# Altium PCB Controller.PcbDoc (part 2 of 2) (continued)
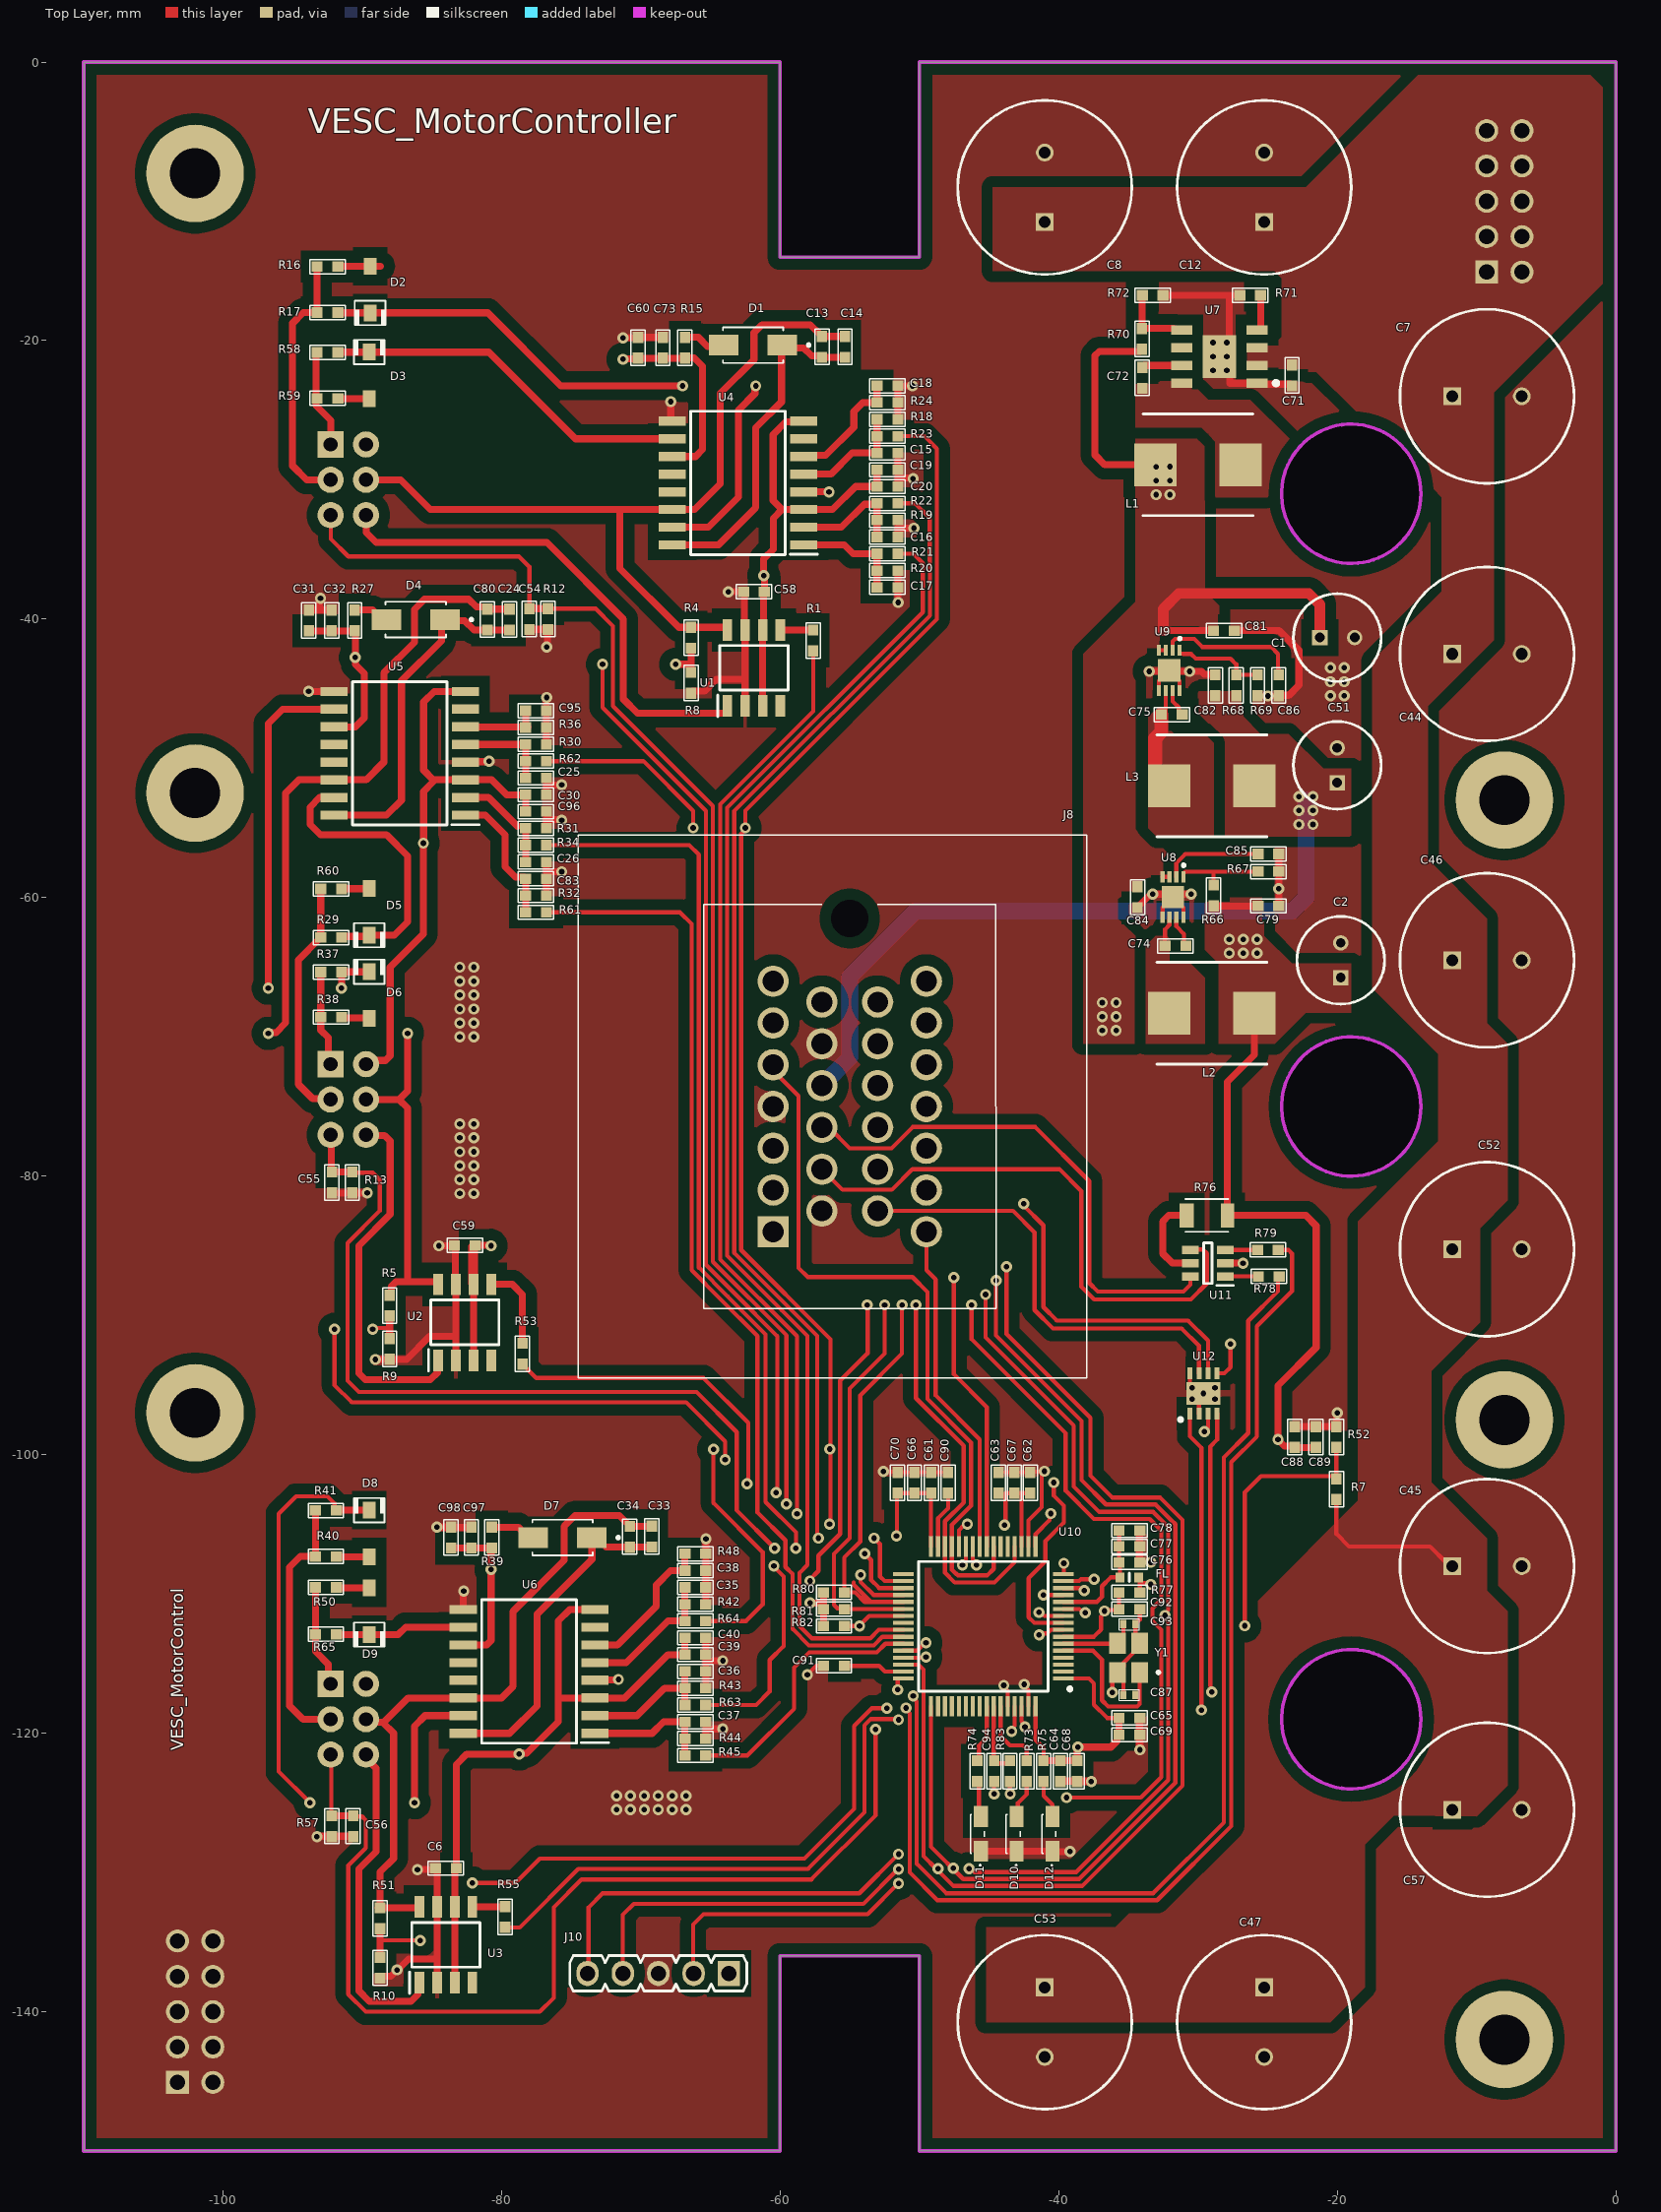
[diagram p0: Top Layer view]
## Nets (pads, with @x,y where several pads share a name; then routed paths per layer and width w, separated by ;. In a path a pad name is that pad's centre, name@x,y a point inside that pad or via, vN(x,y) a via of type N, cw(c..) or ccw(c..) an arc to the next point about the centre after c; other vN are vias at no path point) (continued)
  Top Layer w0.3: U9.1@-31.317,-42.237 -31.317,-42.487 -31.067,-42.487 -31.054,-42.5 -30.5,-42.5 -30.163,-42.837 -27.663,-42.837 -27.25,-43.25 R68.2@-27.25,-44 R69.1@-25.726,-44
NetR70_1: R70.1 R72.2 U7.5 | length 5.3
  Top Layer w0.5: R72.2@-34,-16.75 -34.008,-16.758 -34.008,-19.122 R70.1@-34.015,-19.13 -31.732,-19.13 -31.611,-19.25 U7.5@-31.174,-19.25
NetR71_2: R71.2 U7.4 | length 2.7
  Top Layer w0.5: U7.4@-25.75,-19.25 -25.575,-19.25 -25.5,-19.175 R71.2@-25.5,-16.75
NetR76_1: R76.1 U11.5 | length 6.5
  Top Layer w0.5: R76.1@-30.818,-82.821 -32.094,-82.821 -32.538,-83.266 -32.538,-85.552 -31.84,-86.25 U11.5@-30.55,-86.25
NetR78_2: R78.2 U11.1 | length 2.4
  Top Layer w0.3: U11.1@-28.05,-87.2 U11.1@-28.05,-87.2 -25.67,-87.201 R78.2@-25.668,-87.203
NetR79_2: R79.2 U11.3 | length 2.3
  Top Layer w0.3: U11.3@-28.05,-85.3 -28.049,-85.299 R79.2@-25.732,-85.298 R79.2@-25.732,-85.298
NRST: C92.2 J8.23 J10.5 R77.1 U10.7 | length 121
  Top Layer w0.3: J10.5@-73.83,-137.25 -73.75,-137.17 -73.75,-132.5 -72.75,-131.5 -54.311,-131.5 v1(-51.5,-128.689) ; -46.042,-129.975 -38.741,-129.975 -32.132,-123.366 -32.132,-111.921 -32.374,-111.679 v1(-32.374,-111.544) ; v1(-45.25,-88.5) -45.25,-91.58 -38.914,-97.916 -38.914,-102.285 -37.085,-104.114 -33.212,-104.114 -32.132,-105.194 -32.132,-111.166 ; U10.7@-39.678,-113.079 -37.477,-113.079 -36.958,-112.56 -36.958,-111.615 ; v1@-36.641,-111.163 -35.826,-111.163 -35.762,-111.226 -35.676,-111.14 C92.2@-35.676,-111.099 -35.676,-110.181 R77.1@-35.605,-110.109 ; R77.1@-35.666,-110.109 R77.1@-35.605,-110.109 ; R77.1@-35.505,-110.109 R77.1@-35.605,-110.109
  Signal Layer 1 w0.3: v1(-51.5,-128.689) -47.232,-128.689 -46.613,-129.308 -46.613,-129.404 -46.427,-129.589 v1(-46.427,-129.725) ; J8.23@-49.5,-75 -46.5,-75 -45.25,-76.25 v1(-45.25,-88.5) ; v1(-36.704,-111.226) -34.914,-111.226 -34.66,-110.972 -33.005,-110.972 -32.434,-111.544 v1(-32.374,-111.544)
OSC1: C87.2 U10.5 Y1.1 | length 11.7
  Top Layer w0.3: U10.5@-39.678,-114.078 -37.535,-114.078 -36.895,-114.719 -36.895,-117.64 -36.45,-118.084 -34.366,-118.084 -34.19,-117.908 Y1.1@-34.19,-115.642 Y1.1@-34.558,-116.01
OSC2: C93.1 U10.6 Y1.3 | length 5.4
  Top Layer w0.3: U10.6@-39.678,-113.579 -35.827,-113.579 Y1.3@-35.79,-113.542 -35.358,-113.11 C93.1@-35.358,-112.179
OUT_U: J15.6 U1.1 | length 35.8
  Top Layer w0.5: J15.6@-89.71,-33.08 -89.71,-33.79 -89,-34.5 -76.75,-34.5 -71.25,-40 -71.25,-45.75 -70.247,-46.753 -63.886,-46.753 -63.786,-46.653 U1.1@-63.786,-46.228
OUT_V: J16.6 U2.1 | length 26.5
  Top Layer w0.5: J16.6@-89.73,-77.04 -89.678,-77.092 -88.392,-77.092 -88,-77.484 -88,-82.75 -90.25,-85 -90.25,-94.16 -89.783,-94.627 -85.111,-94.627 -84.603,-94.119 -84.603,-93.288 U2.1@-84.54,-93.225
OUT_W: J17.6 U3.1 | length 23.4
  Top Layer w0.5: J17.6@-89.73,-121.54 -89.73,-121.793 -89,-122.523 -89,-128.5 -90.25,-129.75 -90.25,-138.5 -89.5,-139.25 -86.5,-139.25 -86.005,-138.755 -86.005,-138.025 U3.1@-85.905,-137.925
PHASE_U: C13.1 C14.1 J15.5 R4.2 U1.8 U4.14 | length 59.9
  Top Layer w0.5: J15.5@-89.73,-30 -87.25,-30 -85.114,-32.136 -71.5,-32.136 ; U1.8@-63.786,-40.778 -63.786,-40.694 -63.886,-40.594 R4.2@-66.39,-40.594 -67.267,-40.594 -71.5,-36.361 -71.5,-32.136 ; C14.1@-55.341,-19.702 C13.1@-56.992,-19.702 -56.992,-19.677 -57.117,-19.552 -57.142,-19.552 -57.829,-18.865 -61.31,-18.865 -61.881,-19.436 -61.881,-21.382 -64.294,-23.795 -64.294,-30.295 -66.136,-32.136 U4.14@-67.749,-32.136 -71.5,-32.136
PHASE_V: C24.1 C80.1 J16.5 R5.2 U2.8 U5.14 | length 80.2
  Top Layer w0.5: v1(-96.75,-69.75) -96.693,-69.693 -96.193,-69.693 -95.5,-69 -95.5,-52.5 -94.545,-51.545 U5.14@-92.036,-51.545 -89.724,-51.545 -88.454,-50.275 -88.454,-43.861 -86.254,-41.661 -86.254,-39.292 -85.537,-38.575 -82.35,-38.575 -81.789,-39.135 -81.141,-39.135 -81.016,-39.26 C80.1@-81.016,-39.285 C24.1@-79.429,-39.285 ; J16.5@-89.73,-74.5 -87.36,-74.5 ; R5.2@-88.032,-88.543 -87.907,-88.418 -87.907,-87.907 -87.579,-87.579 -86.844,-87.579 ; v1(-86.75,-69.75) -86.75,-73.89 -87.36,-74.5 ; -84.921,-87.579 -86.844,-87.579 ; U2.8@-84.64,-87.515 -84.54,-87.615 U2.8@-84.54,-87.775 ; -87.36,-74.5 -86.75,-75.11 -86.75,-87.485 -86.844,-87.579
  Signal Layer 1 w0.5: v1(-96.75,-69.75) v1(-86.75,-69.75)
PHASE_W: C33.1 C34.1 J17.5 R51.2 U3.8 U6.14 | length 48.8
  Top Layer w0.5: J17.5@-89.525,-119 J17.5@-89.73,-119 -89.525,-119.205 -88.545,-119.205 ; R51.2@-88.848,-132.539 -88.845,-132.542 R51.2@-88.845,-132.545 ; R51.2@-88.723,-132.545 -88.723,-129.973 -87.75,-129 -87.75,-123.75 -87.75,-120 -88.545,-119.205 ; R51.2@-88.715,-132.553 -85.983,-132.553 U3.8@-85.905,-132.475 ; C33.1@-69.21,-105.131 -69.217,-105.137 -70.792,-105.137 C34.1@-70.798,-105.144 -70.798,-105.119 -71.547,-104.37 -74.735,-104.37 -75.5,-105.135 -75.5,-107.583 -79.167,-111.25 -79.167,-116.645 -79.993,-117.471 U6.14@-82.749,-117.471 -86.72,-117.471 -88.455,-119.205 -88.545,-119.205
PWM_U_HIGH: R21.1 U10.41 | length 94.9
  Top Layer w0.3: R21.1@-51.543,-35.311 -50.439,-35.311 -49.75,-36 -49.75,-39.5 -63.8,-53.55 -63.8,-55.25 -63.8,-85.715 -59.907,-89.608 -58.04,-91.474 -58.04,-107.924 -58.612,-108.496 -58.612,-112.305 -57.723,-113.195 -53.532,-113.195 -52.916,-112.578 U10.41@-51.154,-112.578
PWM_U_HIGH1: J15.2 R16.2 R17.2 | length 18.8
  Top Layer w0.5: R16.2@-93.246,-14.69 R17.2@-93.246,-17.992 -94.241,-17.992 -95,-18.75 -95,-29 -94,-30 J15.2@-92.27,-30
PWM_U_LOW: R22.1 U10.34 | length 93
  Top Layer w0.3: v1(-57.25,-106) -57.342,-105.908 -57.342,-91.466 -63.3,-85.508 -63.3,-54.75 -63.3,-53.8 -49.25,-39.75 -49.25,-35.793 -49.261,-35.782 -49.261,-32.739 -50.308,-31.692 R22.1@-51.543,-31.692 ; v1(-53.25,-106) -53.25,-106.009 -52.833,-106.426 -52.833,-108.749 -52.504,-109.078 U10.34@-51.154,-109.078
  Signal Layer 1 w0.3: v1(-57.25,-106) v1(-53.25,-106)
PWM_U_LOW1: J15.1 R58.1 R59.1 | length 7.1
  Top Layer w0.5: R58.1@-93.246,-20.849 -93.322,-20.924 -93.322,-24.659 -92.25,-25.731 J15.1@-92.25,-27.46
PWM_V_HIGH: R61.1 U10.42 | length 72.8
  Top Layer w0.3: R61.1@-76.524,-61.058 -67.192,-61.058 -66.356,-61.894 -66.356,-86.753 -64.295,-88.814 -61.624,-91.485 -61.624,-104.15 -59.616,-106.158 -59.616,-108.063 -59.112,-108.567 -59.112,-112.513 -57.93,-113.694 -53.27,-113.694 -52.654,-113.079 U10.42@-51.154,-113.079
PWM_V_HIGH1: J16.2 R29.2 R60.2 | length 17.5
  Top Layer w0.5: R60.2@-92.98,-59.376 R29.2@-92.98,-62.869 -93.005,-62.869 -93.13,-62.994 -93.13,-63.019 -94.576,-64.464 -94.576,-73.424 -93.58,-74.42 -92.35,-74.42 J16.2@-92.27,-74.5
PWM_V_LOW: R34.1 U10.35 | length 73.4
  Top Layer w0.3: R34.1@-76.524,-56.232 -66.518,-56.232 -65.832,-56.918 -65.832,-86.57 -63.795,-88.607 -61.04,-91.362 -61.04,-103.399 -58.866,-105.574 v1(-58.866,-106.718) ; v1(-53.925,-107.11) -53.468,-107.566 -53.468,-109.004 -52.893,-109.579 U10.35@-51.154,-109.579
  Signal Layer 1 w0.3: v1(-58.866,-106.718) -58.731,-106.718 -58.54,-106.908 -54.262,-106.908 -54.06,-107.11 v1(-53.925,-107.11)
PWM_V_LOW1: J16.1 R37.1 R38.1 | length 6.4
  Top Layer w0.5: R37.1@-92.98,-65.349 -92.98,-69.519 -92.437,-70.063 -92.437,-71.293 J16.1@-92.27,-71.46
PWM_W_HIGH: R45.1 U10.43 | length 19.2
  Top Layer w0.3: R45.1@-65.336,-121.598 -62.348,-121.598 -59,-118.25 -59,-115.297 -57.897,-114.194 -53.063,-114.194 -52.447,-113.579 U10.43@-51.154,-113.579
PWM_W_HIGH1: J17.2 R40.2 R41.2 | length 18.8
  Top Layer w0.5: R41.2@-93.361,-104.011 R40.2@-93.361,-107.313 -94.453,-107.313 -95.215,-108.075 -95.215,-118.035 -94.25,-119 -92.907,-119 -92.479,-119.428 J17.2@-92.479,-119.46
PWM_W_LOW: R63.1 U10.36 | length 25.2
  Top Layer w0.3: R63.1@-65.336,-117.979 -61.728,-117.979 -60.75,-117 -60.75,-114.75 -59.75,-113.75 -59.75,-108.75 -60.453,-108.046 v1(-60.453,-107.988) ; v1@-54.23,-108.559 -54.23,-109.131 -53.282,-110.078 U10.36@-51.154,-110.078
  Signal Layer 1 w0.3: v1(-60.453,-107.988) -60.318,-107.988 -60.096,-108.21 -55.278,-108.21 -54.962,-108.526 -54.317,-108.526 v1(-54.221,-108.622)
PWM_W_LOW1: J17.1 R50.1 R65.1 | length 7.4
  Top Layer w0.5: R50.1@-93.361,-109.536 R65.1@-93.361,-112.901 -93.361,-114.138 -92.437,-115.063 -92.437,-116.293 J17.1@-92.27,-116.46
RC_PWM: J8.22 R83.1 | length 68.7
  Top Layer w0.3: v1(-46.25,-89.25) -46.25,-91.723 -39.498,-98.474 -39.498,-102.59 -37.466,-104.622 -33.466,-104.622 -32.64,-105.448 -32.64,-110.401 -33.275,-111.036 -33.275,-111.925 -32.632,-112.568 -32.632,-123.159 -34.098,-124.625 v1(-39.435,-124.625) ; R83.1@-43.499,-123.406 -43.494,-123.411 -43.494,-124.347 v1(-43.488,-124.353)
  Signal Layer 1 w0.3: J8.22@-49.5,-78 -47.5,-78 -46.25,-79.25 v1@-46.25,-89.229 ; v1@-43.476,-124.33 -43.453,-124.353 -39.842,-124.353 -39.57,-124.625 v1(-39.435,-124.625)
RX_SDA_NSS: J8.6 U10.20 U10.30 | length 57.3
  Top Layer w0.3: v1(-50.25,-89.25) -50.25,-95.94 -46.826,-99.364 -46.826,-103.441 -48.166,-104.781 -48.166,-106.083 U10.30@-48.166,-106.591 -48.166,-108.473 -47.465,-109.174 -44.622,-109.174 -43.166,-107.718 U10.20@-43.166,-106.591
  Signal Layer 1 w0.3: J8.6@-60.974,-68.526 -58.699,-70.801 -58.699,-86.551 -57.5,-87.75 -50.75,-87.75 -50.25,-88.25 v1(-50.25,-89.25)
SCK_ADC_EXT: U10.21
SERVO: C94.2 R83.2 U10.58 | length 5.4
  Top Layer w0.3: U10.58@-44.666,-118.066 -44.666,-122.137 -44.642,-122.16 -43.892,-122.16 -43.88,-122.148 -43.724,-122.148 -43.499,-121.923 R83.2@-43.499,-121.906
SWCLK: J8.25 J10.2 U10.49 | length 121.1
  Top Layer w0.3: J10.2@-66.21,-137.25 -66.25,-137.21 -66.25,-133.75 -65.5,-133 -53.716,-133 v1(-51.5,-130.784) ; U10.49@-49.166,-118.066 -49.166,-128.165 -46.856,-130.475 -38.533,-130.475 -31.624,-123.565 -31.624,-104.994 -31.938,-104.681 -33.045,-103.574 -36.609,-103.574 -38.355,-101.828 -38.355,-97.585 -44.5,-91.441 v1(-44.5,-87.5)
  Signal Layer 1 w0.3: v1(-51.5,-130.784) -48.007,-130.784 -47.563,-130.34 v1(-47.563,-129.705) ; J8.25@-49.5,-69 -47.144,-69 -44.5,-71.644 v1(-44.5,-87.5)
SWDIO: J8.26 J10.4 U10.46 | length 134.4
  Top Layer w0.3: J10.4@-71.29,-137.25 -71.29,-133.04 -70.5,-132.25 -54.027,-132.25 -51.544,-129.767 v1(-51.5,-129.767) ; U10.46@-51.154,-115.078 -50.06,-115.078 -49.7,-115.439 -49.7,-128.827 -48.8,-129.727 v1(-48.665,-129.727) ; v1@-48.642,-129.705 -48.642,-129.884 -47.552,-130.975 -38.326,-130.975 -31.116,-123.765 -31.116,-104.686 -32.728,-103.074 -36.157,-103.074 -37.72,-101.511 -37.72,-97.357 -43.75,-91.327 v1(-43.75,-86.5)
  Signal Layer 1 w0.3: v1@-51.436,-129.705 -51.414,-129.727 v1(-48.665,-129.727) ; J8.26@-49.5,-66 -47.144,-66 -43.75,-69.394 v1(-43.75,-86.5)
TEMP_MOTOR: J8.15 U10.24 | length 32.1
  Top Layer w0.3: v1(-47.523,-87.274) -47.523,-94.234 -45.166,-96.591 -45.166,-105.915 U10.24@-45.166,-106.591
  Signal Layer 1 w0.3: J8.15@-53,-79.5 -52.627,-79.873 -51.877,-79.873 -51.25,-80.5 -51.25,-85.75 -49.726,-87.274 v1(-47.523,-87.274)
TEMP_U: C54.2 J15.3 R12.2 U10.17 | length 116.5
  Top Layer w0.3: J15.3@-92.25,-32.54 -92.25,-34.25 -91,-35.5 -78.75,-35.5 -78,-36.25 -78,-39.242 C54.2@-78.008,-39.25 ; -77.182,-39.25 R12.2@-76.674,-39.25 -73.25,-39.25 -72,-40.5 -72,-46.25 -64.832,-53.418 -64.832,-86.156 -59.54,-91.447 v1(-59.54,-103.54) ; U10.17@-41.666,-106.591 -41.666,-105.71 -40.657,-104.701 -40.657,-104.308 v1(-40.573,-104.225)
  Top Layer w0.5: -77.563,-39.187 -77.5,-39.25 -77.182,-39.25
  Signal Layer 1 w0.3: v1(-59.54,-103.54) -59.492,-103.491 -40.883,-103.491 -40.669,-103.706 -40.669,-104.129 v1(-40.573,-104.225)
TEMP_U_VDD: C6.2 C19.2 C20.2 C30.2 C39.2 C40.2 C51.1 C58.2 C59.2 C61.2 C62.2 C63.2 C64.2 C65.2 C66.2 C67.2 C68.2 C69.2 C70.2 C82.2 C96.2 FL.1 J8.11 J10.1 J15.4 J16.4 J17.4 L3.2 R68.1 R75.2 R77.2 R80.2 R81.2 R82.2 U1.3 U1.6 U2.3 U2.6 U3.3 U3.6 U4.3 U4.8 U5.3 U5.8 U6.3 U6.8 U10.1 U10.19 U10.32 U10.48 U10.64 U12.5 | length 593
  Top Layer w0.3: v1(-51.645,-105.829) -51.604,-105.788 -51.604,-102.809 C70.2@-51.563,-102.769 C66.2@-50.357,-102.769 C61.2@-49.15,-102.769 ; v1(-51.563,-116.878) -51.563,-116.079 U10.48@-51.154,-116.079 ; U10.32@-49.166,-106.591 C61.2@-49.166,-102.784 ; v1(-43.88,-105.067) -43.816,-105.003 -43.816,-102.769 C67.2@-43.181,-102.769 -42.673,-102.769 ; U10.19@-42.666,-106.591 -42.666,-102.776 -42.673,-102.769 ; C62.2@-42.292,-102.769 -42.673,-102.769 ; C62.2@-42.229,-102.959 C62.2@-42.038,-102.769 ; U10.64@-41.666,-118.066 -41.666,-120.489 -41.086,-121.069 -41.086,-121.906 R75.2@-41.022,-121.969 ; U10.1@-39.678,-116.079 -37.821,-116.079 -37.466,-116.433 -37.466,-117.957 -36.514,-118.91 C65.2@-35.676,-118.91 ; FL.1@-34.251,-108.813 -34.176,-108.888 R77.2@-34.176,-109.893 ; FL.1@-34.151,-108.988 -34.101,-108.988 -34.076,-109.013 -34.076,-109.229 -33.482,-109.229 v1(-33.39,-109.321) ; U12.5@-28.626,-94.158 -28.101,-94.158 -27.661,-93.718 v1(-27.661,-92.05)
  Top Layer w0.5: J16.4@-89.73,-71.96 -89.466,-71.696 -88.333,-71.696 -88,-71.363 -88,-65 -85.613,-62.613 v1(-85.613,-56.091) ; v1@-85.596,-56.053 -85.596,-52.37 -84.898,-51.672 -84.898,-51.545 ; U3.3@-83.365,-137.925 U3.6@-83.365,-132.475 C6.2@-83.365,-129.75 ; C6.2@-83.245,-129.696 -83.245,-122.245 -82.5,-121.5 v1(-78.75,-121.5) -78.693,-121.443 -78.193,-121.443 -75.929,-119.179 -75.929,-117.471 ; U5.8@-82.586,-45.195 -84.834,-45.195 -85.596,-45.957 -85.596,-50.846 -84.898,-51.545 ; U2.6@-82.135,-87.725 C59.2@-82.135,-85.046 ; U2.3@-82,-93.225 U2.6@-82,-87.775 -81.942,-87.717 C59.2@-81.942,-85.033 ; C59.2@-81.885,-84.975 -80.774,-84.975 v1(-80.75,-85) ; C96.2@-78.274,-53.819 C30.2@-78.274,-52.612 -79.638,-52.612 -80.705,-51.545 U5.3@-82.586,-51.545 -84.898,-51.545 ; U6.8@-73.299,-111.121 -75.103,-111.121 -75.929,-111.946 -75.929,-117.471 ; C40.2@-66.836,-113.153 C39.2@-66.836,-114.359 -68.055,-114.359 -71.166,-117.471 U6.3@-73.299,-117.471 -75.929,-117.471 ; U1.3@-61.246,-46.228 U1.6@-61.246,-40.778 -61.189,-40.72 -61.189,-38.099 C58.2@-61.131,-38.042 v1@-61.131,-36.868 ; v1(-61.18,-36.872) -61.18,-35.68 -60.489,-34.989 -60.489,-32.761 -59.864,-32.136 ; U4.8@-58.299,-25.786 -58.362,-25.848 -59.598,-25.848 -60.5,-26.75 -60.5,-31.5 -59.864,-32.136 ; v1(-57.85,-110.655) -56.949,-110.655 -56.885,-110.591 ; R82.2@-56.885,-112.306 R81.2@-56.885,-111.099 -56.885,-110.591 ; R80.2@-56.885,-109.893 -56.885,-110.591 ; C19.2@-53.043,-29.279 C20.2@-53.043,-30.485 -54.579,-30.485 -56.23,-32.136 U4.3@-58.299,-32.136 -59.864,-32.136 ; R75.2@-41.022,-121.969 C64.2@-39.879,-121.969 C68.2@-38.673,-121.969 -38.673,-121.002 v1(-38.613,-121.002) -36.252,-121.002 -35.826,-120.577 -35.826,-120.241 -35.701,-120.116 C69.2@-35.676,-120.116 C65.2@-35.676,-118.91
  Signal Layer 2 w0.3: v1(-57.85,-110.655) -55.753,-110.655 ; -55.691,-116.878 v1(-51.563,-116.878) ; v1(-51.645,-105.829) -51.645,-103.291 -51.604,-103.25 ; v1(-43.88,-105.067) -43.88,-103.313 -43.816,-103.25 ; v1@-33.39,-109.356 v1(-33.39,-109.321)
  Signal Layer 2 w0.5: J17.4@-89.73,-116.46 -79.29,-116.46 -78.75,-117 ; v1(-85.613,-56.091) -78.935,-56.091 ; v1(-80.75,-85) -78.75,-85
  Signal Layer 2 w0.75: J15.4@-89.73,-27.46 -80.29,-27.46 -78.75,-29 -78.75,-36.872 ; -78.935,-56.091 -78.75,-56.275 ; v1(-78.75,-121.5) -78.75,-117 -78.75,-85 -78.75,-56.275 ; J10.1@-63.67,-137.25 -63.67,-134.67 -62.25,-133.25 -38.25,-133.25 -36.006,-131.006 -36.006,-121.608 -36.614,-121 -54.75,-121 -55.753,-119.997 -55.753,-110.655 -55.753,-106.003 -53,-103.25 -51.604,-103.25 -43.816,-103.25 -36,-103.25 ; v1(-33.39,-109.321) -33.4,-109.331 -33.435,-109.331 -33.44,-109.335 -35.415,-109.335 -36,-108.75 -36,-103.25 ; v1(-22.75,-52.75) -22.75,-43.926 -25.339,-41.337 -34.163,-41.337 -38.628,-36.872 v1(-61.18,-36.872) -78.75,-36.872 ; v1(-21.75,-54.75) -21.75,-65.25 -25.5,-69 -25.5,-89.921 -27.604,-92.025 -27.622,-92.025 -27.647,-92.05 v1(-27.661,-92.05) -27.661,-92.063 -27.686,-92.088 -27.686,-92.106 -28.579,-93 -34.75,-93 -36,-94.25 -36,-103.25 ; -78.75,-56.275 -78.75,-36.872
  Bottom Layer w1.2: J8.11@-57,-73.5 -55,-71.5 -55,-65.69 -50.29,-60.98 -23.23,-60.98 -22.25,-60 -22.25,-52.992 -22.273,-52.969 -22.273,-54.273
  other v1: -22.75,-54.75 -22.75,-53.75 -21.75,-53.75 -21.75,-52.75
TEMP_V: C55.2 J16.3 R13.2 U10.26 | length 79
  Top Layer w0.3: R13.2@-90.72,-79.701 -90.67,-79.75 -89.25,-79.75 -88.75,-80.25 -88.75,-82.5 -91.055,-84.805 -91.055,-94.695 -90.25,-95.5 -66,-95.5 -63.12,-98.379 -63.12,-99.568 -63.124,-99.572 -63.124,-103.983 v1(-60.39,-106.718) ; U10.26@-46.166,-106.591 -46.166,-107.535 -45.912,-107.789 v1(-45.912,-107.924)
  Top Layer w0.5: J16.3@-92.25,-77 -92.215,-77.035 -92.215,-79.666 C55.2@-92.18,-79.701 R13.2@-90.72,-79.701
  Signal Layer 1 w0.3: v1(-60.39,-106.718) -59.628,-107.48 -55.024,-107.48 -54.643,-107.861 -51.86,-107.861 -50.4,-106.4 -46.356,-106.4 -45.912,-106.845 v1(-45.912,-107.924)
TEMP_W: C56.2 J17.3 R57.2 U10.27 | length 92.6
  Top Layer w0.3: J17.3@-92.25,-122 -92.218,-122.032 R57.2@-92.218,-125.868 ; R57.2@-92.218,-125.884 R57.2@-92.218,-125.868 ; R57.2@-92.185,-125.901 R57.2@-92.218,-125.868 ; C56.2@-90.661,-125.938 -90.611,-125.988 -90.012,-125.988 -89.75,-126.25 -89.75,-128.25 -91,-129.5 -91,-138.75 -89.75,-140 -77.25,-140 -76.25,-139 -76.25,-132.5 -74.25,-130.5 -57.75,-130.5 -53.142,-125.892 v1(-53.142,-119.734) ; -46.666,-107.543 U10.27@-46.666,-106.591
  Top Layer w0.5: R57.2@-92.185,-125.926 C56.2@-90.661,-125.926
  Signal Layer 1 w0.3: v1(-53.142,-119.734) -53.151,-119.725 -53.151,-109.901 -50.221,-106.972 -47.436,-106.972 -46.928,-107.48 -46.928,-107.908 v1(-46.912,-107.924)
TX_SCL_MOSI: J8.5 U10.23 U10.29 | length 52.1
  Top Layer w0.3: J8.5@-60.5,-72 -60.5,-72.413 -58.674,-74.239 -58.674,-86.589 -58.013,-87.25 -50.5,-87.25 -49.428,-88.322 -49.428,-96 -46.293,-99.135 -46.293,-103.67 -47.666,-105.043 U10.29@-47.666,-106.591 -47.666,-108.266 -47.372,-108.559 -47.338,-108.559 -47.223,-108.674 -45.138,-108.674 -44.666,-108.202 U10.23@-44.666,-106.591
UART_RX: U10.52
UART_TX: U10.51
USB_DM: R79.1 U10.44 | length 90.9
  Top Layer w0.254: v1(-50.95,-118.195) v1@-50.95,-118.047
  Top Layer w0.3: U10.44@-51.154,-114.078 -50.161,-114.078 -49.595,-113.512 v1(-49.531,-113.512) ; v1(-50.95,-118.195) -50.95,-118.33 -50.7,-118.58 -50.7,-129.996 -48.706,-131.991 -32.931,-131.991 -27.61,-126.67 -27.61,-100.533 -25.781,-98.704 -25.781,-90.781 -23.25,-88.25 -23.25,-85.569 -23.521,-85.298 R79.1@-24.232,-85.298
  Signal Layer 1 w0.3: v1(-50.95,-118.195) -49.76,-118.195 -48.769,-117.204 -48.769,-113.83 -48.991,-113.608 -49.436,-113.608 v1(-49.531,-113.512)
USB_DP: R78.1 U10.45 | length 83.9
  Top Layer w0.3: U10.45@-51.154,-114.579 -49.582,-114.579 v1(-49.531,-114.528) ; v1(-50.45,-117.329) -50.45,-117.464 -50.2,-117.714 -50.2,-129.37 -48.08,-131.491 -33.218,-131.491 -28.143,-126.416 -28.143,-100.203 -26.391,-98.45 -26.391,-90.391 -24.25,-88.25 -24.25,-87.284 R78.1@-24.168,-87.203 R78.1@-23.966,-87.405
  Signal Layer 1 w0.3: v1(-50.45,-117.329) -50.449,-117.327 -49.6,-117.327 -49.269,-116.996 -49.269,-114.909 -49.531,-114.647 v1(-49.531,-114.528)
VCAP1: C90.2 U10.31 | length 4.1
  Top Layer w0.3: U10.31@-48.666,-106.591 -48.666,-104.573 -47.944,-103.851 C90.2@-47.944,-102.769
VCAP2: C91.2 U10.47 | length 4.4
  Top Layer w0.3: C91.2@-55.385,-115.163 -52.897,-115.163 -52.481,-115.579 U10.47@-51.154,-115.579
VDDA: C76.2 C77.2 C78.2 FL.2 U10.12 | length 8.3
  Top Layer w0.3: U10.12@-39.678,-110.579 -37.263,-110.579 -36.895,-110.21 -36.895,-109.448 -36.26,-108.813 FL.2@-35.601,-108.813 -35.601,-107.641 -35.676,-107.566 -35.676,-106.781 -35.655,-106.759 C78.2@-35.655,-105.765
VIN+: C7.1 C8.1 C12.1 C44.1 C45.1 C46.1 C47.1 C52.1 C53.1 C57.1 C71.2 J24.1 J24.2 J24.3 J24.4 J24.5 J24.6 J24.7 J24.8 J24.9 J24.10 R7.2 U7.2 U7.3 | length 12.1
  Top Layer w0.3: R7.2@-20.06,-103.229 -20.06,-105.69 -19.155,-106.595 -13.344,-106.595 -12.189,-107.75 C45.1@-11.25,-107.75
VSENSE: R7.1 R52.2 U10.11 | length 32
  Top Layer w0.3: U10.11@-39.678,-111.079 -38.508,-111.079 -38.234,-111.353 v1(-38.101,-111.353) ; v1(-26.645,-112.293) -26.645,-102.718 -25.471,-101.544 -20.06,-101.544 R52.2@-20.06,-99.73
  Signal Layer 1 w0.3: v1(-38.101,-111.353) -37.161,-112.294 v1(-26.645,-112.293)
VSENSE_U: R4.1 R8.2 U10.14 | length 102.2
  Top Layer w0.3: v1(-72.75,-43.25) -72.75,-46.356 -65.332,-53.774 -65.332,-86.363 -63.295,-88.399 -60.199,-91.495 -60.199,-102.626 v1(-60.29,-102.717) ; U10.14@-39.678,-109.579 -38.487,-109.579 -38.3,-109.766 v1(-38.165,-109.766)
  Top Layer w0.5: v1(-67.5,-43.25) -67.493,-43.244 -66.575,-43.244 -66.39,-43.058 ; R8.2@-66.39,-43.832 -66.39,-43.058 ; R4.1@-66.39,-42.094 -66.39,-43.058
  Signal Layer 1 w0.3: v1(-72.75,-43.25) v1(-67.5,-43.25) ; v1(-60.29,-102.717) -40.578,-102.717 -38.3,-104.995 -38.3,-109.34 -38.261,-109.379 -38.261,-109.67 v1(-38.165,-109.766)
VSENSE_V: R5.1 R9.2 U10.15 | length 76.3
  Top Layer w0.3: v1(-92,-91) -92,-95 -90.75,-96.25 -66.75,-96.25 -63.946,-99.054 v1(-63.946,-100.368) ; v1(-89.25,-91) -89.154,-90.904 -88.83,-90.904 -88.824,-90.899 -88.088,-90.899 -88.032,-90.844 ; U10.15@-39.678,-109.078 -38.539,-109.078 -38.4,-108.94 v1(-37.466,-108.94)
  Top Layer w0.5: R9.2@-88.032,-91.655 -88.032,-90.844 R5.1@-88.032,-90.043
  Signal Layer 1 w0.3: v1(-92,-91) v1(-89.25,-91) ; v1(-63.946,-100.368) -63.931,-100.382 -40.436,-100.382 -37.657,-103.162 -37.657,-108.623 -37.466,-108.813 v1(-37.466,-108.94)
VSENSE_W: R10.2 R51.1 U10.16 | length 76.3
  Top Layer w0.3: -88.723,-134.883 v1(-85.841,-134.883) ; v1(-82.095,-130.755) -79.005,-130.755 -77.25,-129 -58.25,-129 -54.691,-125.441 -54.691,-119.484 -53.418,-118.211 v1(-52.325,-118.211) ; U10.16@-39.678,-108.579 -39.625,-108.579 v1(-39.625,-107.797)
  Top Layer w0.5: R10.2@-88.723,-136.101 -88.723,-134.883 R51.1@-88.723,-134.045
  Signal Layer 1 w0.3: v1(-85.841,-134.883) -83.174,-134.883 -82.095,-133.803 v1(-82.095,-130.755) ; v1(-52.325,-118.211) -52.25,-118.287 -52.25,-119.347 -51.811,-119.786 -49.773,-119.786 -48.325,-118.338 -43.294,-118.338 -42.85,-117.894 -40.125,-117.894 -39.316,-117.085 -39.316,-111.724 -39.625,-111.414 v1(-39.625,-107.797)
pads on no net: J8.21 J8.27 U1.4 U2.4 U3.4 U4.7 U4.12 U4.13 U5.7 U5.12 U5.13 U6.7 U6.12 U6.13 U7.6 U10.2 U10.3 U10.4 U10.33 U10.40 U10.50 U10.53 U10.54 U10.55 U10.56

## Polygon pours and split planes (outlines as drawn)
VIN+ on Top Layer "VIN+_L01_P029" (solid, remove dead copper, pour order 29): -24,-19.75 -24.25,-20 -26.35,-20 -26.594,-20.244 -26.594,-22.047 -26.391,-22.25 -21.5,-22.25 -12.5,-31.25 -12.5,-38 -17.5,-43 -17.5,-66.5 -12.75,-71.25 -12.75,-77.5 -18.5,-83.25 -18.5,-103.309 -26.75,-111.559 -26.75,-124.75 -35.953,-133.953 -45.212,-133.953 -45.212,-140.75 -20.5,-140.75 -18,-138.25 -18,-128 -15.927,-125.927 -10,-126 -7.75,-123.75 -7.75,-113.25 -7.75,-111.25 -9.25,-109.75 -9.25,-106 -13.25,-102 -13.25,-94 -9.75,-90.5 -9.75,-83.75 -7.75,-81.75 -7.75,-70.5 -9.25,-69 -9.25,-61.5 -13.5,-57.25 -13.5,-46.25 -8.75,-41.5 -8.75,-23.75 -0.75,-15.75 -0.75,-2 -2,-0.75 -14,-0.75 -22.25,-9 -44.75,-9 -44.75,-15 -24.52,-15 -24,-15.52
GND on Top Layer "GND_L01_P054" (solid, remove dead copper, pour order 54): -110,0 -110,-150 -60,-150 -50,-150 0,-150 0,0
+12V on Top Layer "+12V_L01_P046" (solid, pour order 46): -38.245,-58.243 -38.25,-58.249 -38.25,-70.5 -34.5,-70.5 -34.5,-62.75 -35.75,-61.5 -35.75,-60.109 -35.301,-59.732 -35.75,-57.75 -36,-57.5 -38.25,-57.5
+12V on Top Layer "+12V_L01_P045" (solid, remove dead copper, pour order 45): -34.5,-26.25 -34.5,-38.75 -38.25,-42.5 -38.25,-58.25 -36.75,-59.75 -34.25,-59.75 -33.171,-58.671 -32.27,-58.671 -32.27,-56.7 -32.564,-56.407 -33.188,-56.407 -34.5,-55.095 -34.5,-43.254 -33.977,-42.731 -33.977,-42.73 -33.613,-42.366 -32.679,-42.366 -32.679,-41.433 -32.32,-41.073 -28.492,-41.073 -28.482,-41.083 -28.472,-41.073 -28.472,-39.028 -29.5,-38 -29.5,-31.5 -28.75,-30.75 -28.75,-27.25 -29.75,-26.25
NetC74_1 on Top Layer "NETC74_1_L01_P044" (solid, remove dead copper, pour order 44): -33.044,-62.75 -33.748,-63.455 -33.748,-70.498 -33.75,-70.5 -29.509,-70.5 -29.5,-70.491 -29.5,-65.75 -30.75,-64.5 -31.639,-64.5 -31.896,-64.243 -31.896,-62.75
+5V on Top Layer "+5V_L01_P039" (solid, remove dead copper, pour order 39): -29.5,-60 -29.5,-63.75 -28.5,-64.75 -28.5,-70.5 -24.5,-70.5 -22.25,-68.25 -19,-68.25 -19,-64.75 -23.25,-64.75 -25.25,-62.75 -25.25,-60
TEMP_U_VDD on Top Layer "TEMP_U_VDD_L01_P038" (solid, remove dead copper, pour order 38): -26.75,-45 -30,-45 -30,-46.75 -28.25,-48.5 -28.25,-55.559 -28.288,-55.598 -18.977,-55.598 -18.966,-55.587 -19,-55.553 -19,-50.75 -21,-50.75 -23.5,-48.25 -25.5,-48.25 -26.75,-47
NetC75_1 on Top Layer "NETC75_1_L01_P037" (solid, remove dead copper, pour order 37): -32.237,-45.873 -32.272,-45.731 -33.579,-47.037 -33.579,-54.999 -32.931,-55.647 -28.852,-55.647 -28.852,-48.898 -29.5,-48.25 -31.689,-48.25 -32.024,-47.915 -32.024,-46.373 -32.239,-46.158
NetC72_2 on Top Layer "NETC72_2_L01_P036" (solid, remove dead copper, pour order 36): -30.667,-22.833 -34.5,-22.833 -34.5,-26.25 -29.75,-26.25 -28.75,-27.25 -28.75,-31.25 -24,-31.25 -23.25,-30.5 -23.25,-27.25 -26.25,-24.25 -29.25,-24.25
GND on Bottom Layer "GND_L04_P049" (solid, remove dead copper, pour order 49): -60,0 -110,0 -110,-150 -60.01,-150 -60.01,-136.01 -60,-136 -50,-136 -50,-150 0.5,-150 0.5,0 -50,0 -50,-14 -60,-14
TEMP_U_VDD on Bottom Layer "TEMP_U_VDD_L04_P040" (solid, remove dead copper, pour order 40): -22.75,-56 -23.5,-55.25 -23.5,-52 -21,-52 -21,-55.25 -21.75,-56
GND on Signal Layer 2 "GND_L03_P058" (solid, remove dead copper, pour order 58): -110,0 -110,-150 -60,-150 -50,-150 0,-150 0,0
+12V on Signal Layer 2 "+12V_L03_P050" (solid, remove dead copper, pour order 50): -34.5,-28.25 -34.49,-28.24 -30.759,-28.24 -30.759,-31.64 -31.661,-31.646 -34.493,-31.646 -34.5,-31.64
+12V on Signal Layer 2 "+12V_L03_P047" (solid, remove dead copper, pour order 47): -38.25,-66.75 -34.5,-66.75 -34.5,-70.25 -34.75,-70.5 -38.25,-70.5
+5V on Signal Layer 2 "+5V_L03_P042" (solid, remove dead copper, pour order 42): -29.5,-62.75 -29,-62.25 -25.25,-62.25 -25.25,-64.921 -28.329,-64.921 -29.5,-63.75
TEMP_U_VDD on Signal Layer 2 "TEMP_U_VDD_L03_P041" (solid, remove dead copper, pour order 41): -23.11,-51.969 -23.5,-52.359 -23.5,-55.5 -21,-55.5 -21,-52.5 -22.557,-50.943 -23.127,-50.943
VIN+ on Signal Layer 1 "VIN+_L02_P055" (solid, remove dead copper, pour order 55): -24,-19.75 -24.25,-20 -26.35,-20 -26.594,-20.244 -26.594,-22.047 -26.391,-22.25 -21.5,-22.25 -12.5,-31.25 -12.5,-38 -17.5,-43 -17.5,-66.5 -12.75,-71.25 -12.75,-77.5 -18.5,-83.25 -18.5,-103.309 -26.75,-111.559 -26.75,-124.75 -35.953,-133.953 -45.212,-133.953 -45.212,-140.75 -20.5,-140.75 -18,-138.25 -18,-128 -15.927,-125.927 -10,-126 -7.75,-123.75 -7.75,-113.25 -7.75,-111.25 -9.25,-109.75 -9.25,-106 -13.25,-102 -13.25,-94 -9.75,-90.5 -9.75,-83.75 -7.75,-81.75 -7.75,-70.5 -9.25,-69 -9.25,-61.5 -13.5,-57.25 -13.5,-46.25 -8.75,-41.5 -8.75,-23.75 -0.75,-15.75 -0.75,-2 -2,-0.75 -14,-0.75 -22.25,-9 -44.75,-9 -44.75,-15 -24.52,-15 -24,-15.52
GND on Signal Layer 1 "GND_L02_P057" (solid, remove dead copper, pour order 57): -110,0 -110,-150 -60,-150 -50,-150 0,-150 0,0

## Keep-outs
Keep-Out Layer:
  circle w0.254: c-19,-31 r5
  circle w0.254: c-19,-119 r5
  circle w0.254: c-19,-75 r5
  lines w0.254: -110,-150 -60,-150 -60,-136 -50,-136 -50,-150 0,-150 0,0 -50,0 -50,-14 -60,-14 -60,0 -110,0 -110,-150

## Silkscreen, mask and mechanical layers (free items; w line width, h text height)
Top Overlay:
  text "VESC_MotorController" at -93.904,-5.718 h3
  text "VESC_MotorControl" at -102.54,-121.26 h1.52 r90
Mechanical 1:
  lines w0.1: -13.7,45.574 -13.324,45.95
  lines w0.254: -13.725,42.575 -13.675,42.525

## Dimensions
-50,0 to -60,0 on Top Paste
-110,0 to 0,0 on Top Paste
0,0 to 0,-150 on Top Paste